# Altium PCB pcb_v1.PcbDoc (part 4 of 5) (continued)
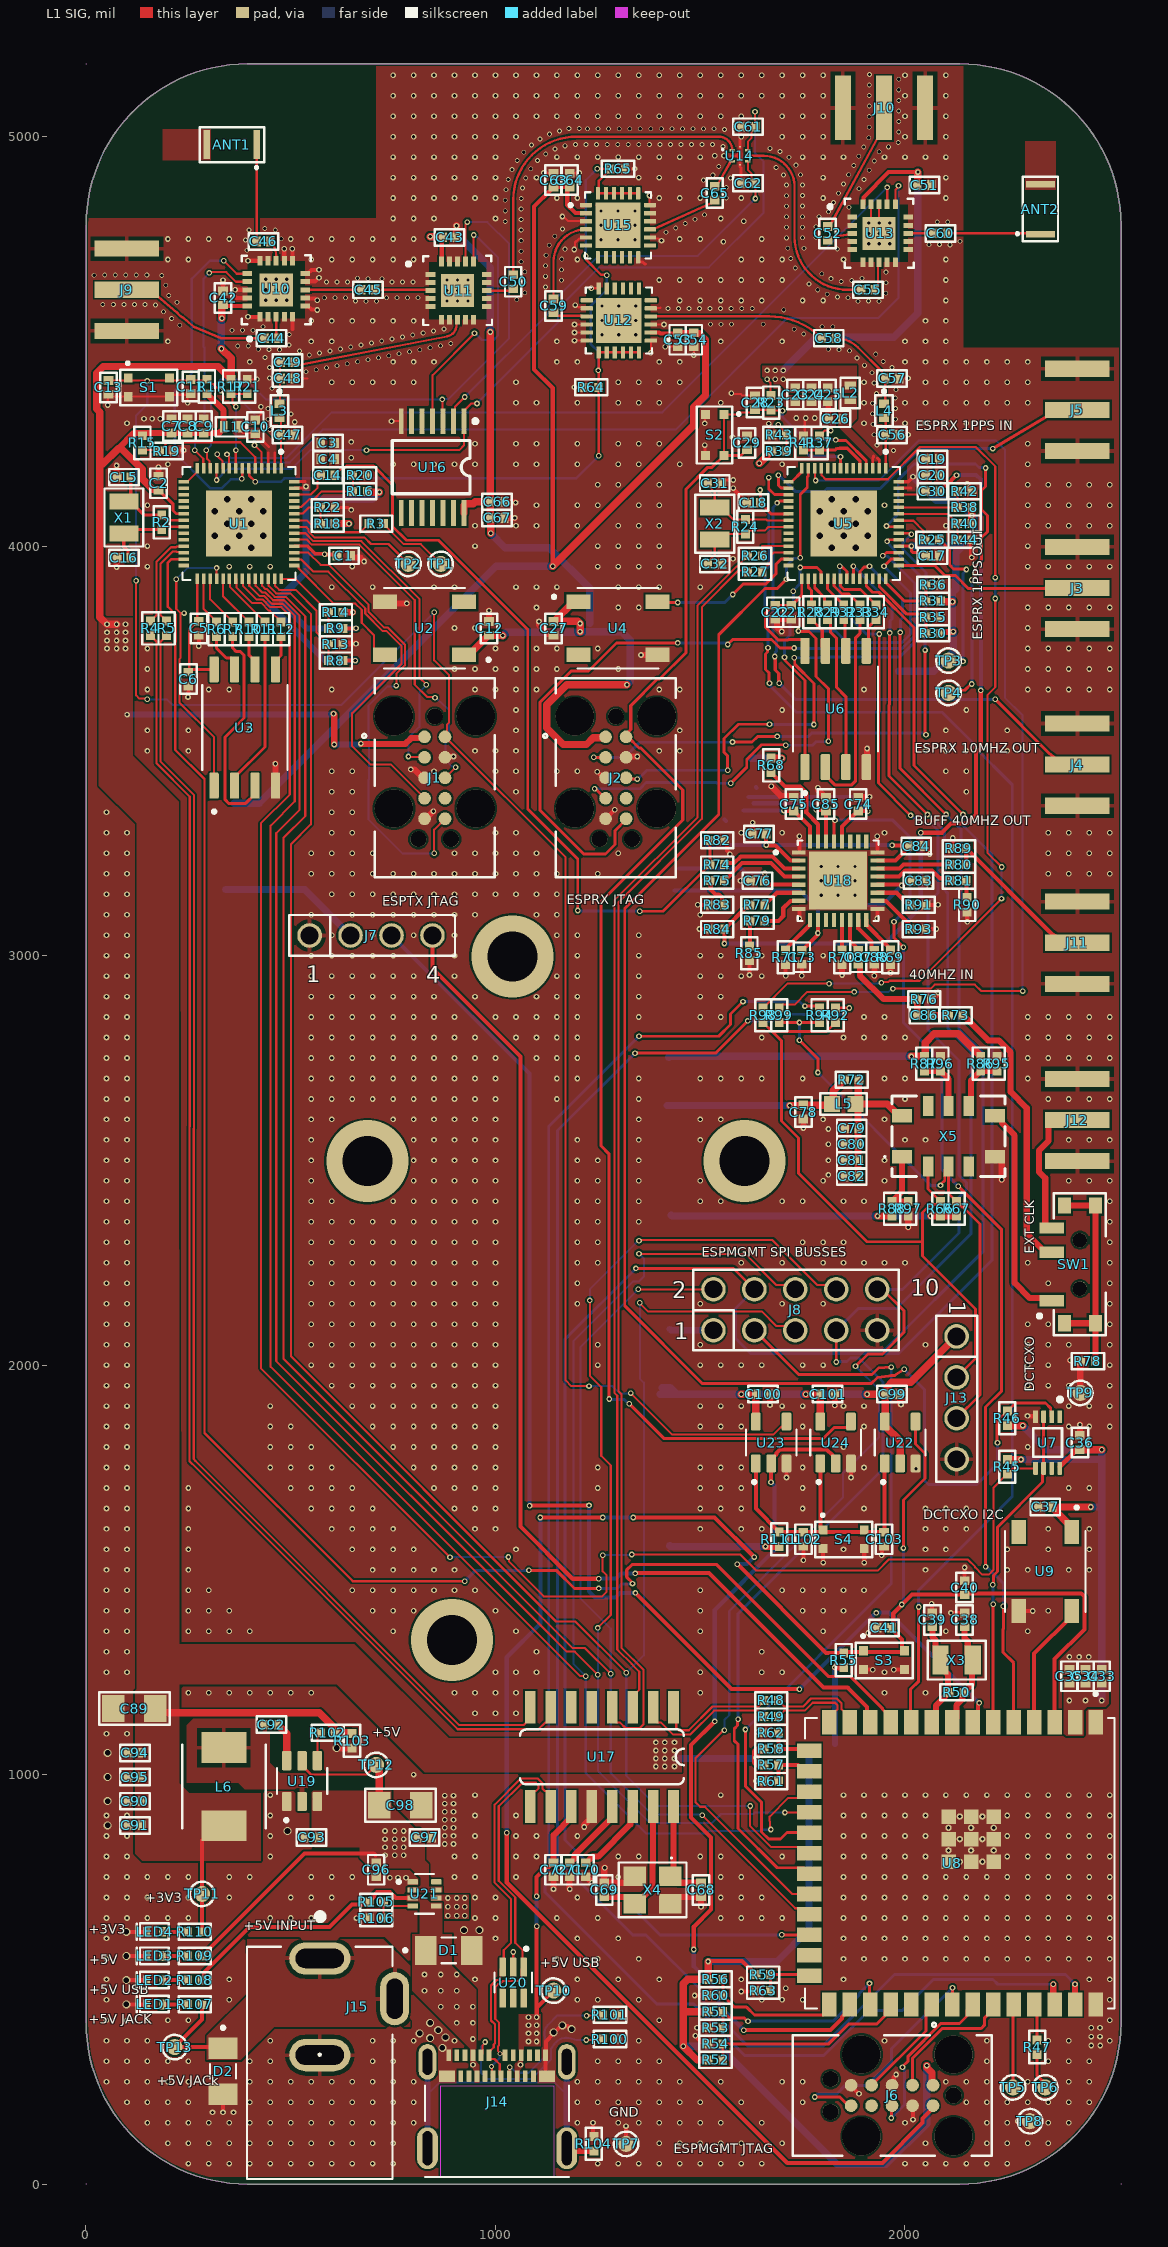
[diagram p0: L1 SIG view]
## Nets (pads, with @x,y where several pads share a name; then routed paths per layer and width w, separated by ;. In a path a pad name is that pad's centre, name@x,y a point inside that pad or via, vN(x,y) a via of type N, cw(c..) or ccw(c..) an arc to the next point about the centre after c; other vN are vias at no path point) (continued)
  other v2: 1972.1,4233.55 1931.4,4247.09 1924.73,4271.96 448.57,4284.55 1921.89,4297.55 444.41,4309.96 1976.85,4310.03 500.47,4322.37 1920.79,4323.27 444.69,4335.7 1976.59,4335.77 1920.79,4349.02 1976.22,4361.52 1930.26,4372.97 1978.35,4381.89 453.95,4385.61 1924.73,4398.11 448.35,4410.74 1919.41,4423.31 537.03,4426 562.31,4430.87 448.45,4436.49 587.59,4435.74 1968.24,4436.28 612.88,4440.61 1901.21,4441.51 638.16,4445.48 663.44,4450.35 1946.84,4450.59 688.73,4455.22 714.01,4460.09 1883,4459.72 437.01,4460.63 739.29,4464.96 545.28,4466.99 1928.64,4468.8 764.58,4469.83 570.56,4471.86 789.86,4474.7 521.36,4476.51 595.84,4476.73 1864.22,4477.33 446.61,4479.88 472.36,4479.85 815.14,4479.57 1838.6,4479.85 420.88,4480.71 1812.87,4480.92 621.13,4481.6 840.43,4484.44 646.41,4486.47 370.6,4488.53 396.35,4488.53 865.71,4489.31 495.54,4491.06 671.69,4491.34 890.92,4494.56 696.98,4496.21 722.26,4501.08 747.54,4505.95 772.83,4510.82 798.11,4515.69 496.53,4516.79 1752.61,4518.05 823.39,4520.56 848.68,4525.43 356.25,4527.22 382,4527.22 407.75,4527.22 873.96,4530.3 1729.67,4529.74 431.99,4535.9 1797.75,4535.9 1823.5,4535.9 228.98,4539.37 1525.11,4541.68 1550.85,4541.68 1576.6,4541.68 1653.85,4541.68 209.16,4555.81 189.53,4572.47 1704.08,4576.99 1421.02,4580.37 1446.77,4580.37 1472.52,4580.37 1498.27,4580.37 1524.01,4580.37 1549.76,4580.37 1575.51,4580.37 1601.26,4580.37 1627.01,4580.37 169.8,4589.01 41.08,4590.08 66.83,4590.08 92.58,4590.08 118.33,4590.08 144.07,4590.08 222.03,4595.7 683.81,4598.18 709.55,4597.96 1885.08,4597.96 1936.53,4597.96 658.06,4598.62 1910.8,4598.94 1051.91,4601.89 582.1,4606.64 607.85,4606.64 633.59,4606.64 733.79,4606.64 759.54,4606.64 785.29,4606.64 811.04,4606.64 1860.84,4606.64 1835.16,4608.57 202.3,4612.25 1810.27,4615.16 1953.22,4617.56 1071.34,4618.79 1786.87,4625.9 1122.39,4633.06 194.96,4636.93 1765.65,4640.48 1953.48,4643.31 587.05,4645.33 612.79,4645.33 638.54,4645.33 747.39,4645.33 773.14,4645.33 798.88,4645.33 1070.31,4644.52 1844.34,4646.47 1161.08,4649.3 1870,4648.62 688.5,4652.85 722.74,4652.78 1819.49,4653.24 662.78,4654.01 1895.17,4654.01 1122.39,4658.81 184.95,4660.65 19.91,4661.62 45.65,4661.89 71.4,4661.89 97.15,4661.89 122.9,4661.89 148.65,4661.89 1796.73,4665.26 1953.69,4669.06 1071.34,4670.24 1161.08,4675.05 1732.17,4679.36 1122.39,4684.56 1062.65,4694.48 1161.69,4700.79 1720.9,4702.51 1123.72,4710.27 1062.65,4720.23 392.98,4722.41 1169.87,4725.21 1834.75,4725.43 1713.76,4727.25 1753.5,4727.57 1131.16,4734.92 2058.35,4735.89 2109.83,4735.75 2084.09,4736.5 2134.09,4744.37 1062.65,4745.98 389.29,4747.89 476.85,4750.71 1710.96,4752.84 1749.77,4753.05 1783,4754.11 1144.92,4756.68 1416.68,4766.61 397.98,4772.13 462.12,4771.83 1062.65,4771.73 1163.56,4774.44 436.67,4775.72 1440.14,4777.23 1710.97,4778.59 1749.66,4778.79 1783,4779.86 1463.6,4787.84 2078.85,4791.81 2104.6,4791.81 1023.96,4793.01 1062.65,4797.48 1487.06,4798.45 1710.97,4804.34 1749.66,4804.54 1790.34,4804.54 1510.51,4809.07 1813.17,4816.44 1023.96,4818.76 1062.65,4823.22 1863.28,4827.56 1710.97,4830.09 1749.66,4830.29 1825.49,4839.05 1023.91,4844.51 1062.77,4848.97 1563.46,4849.87 1710.97,4855.84 1749.66,4856.04 1837.81,4861.66 1507.51,4867.98 1025.61,4870.2 1887.92,4872.78 1066.05,4874.51 1563.46,4875.62 1710.62,4881.58 1749.5,4881.79 1850.13,4884.27 1508.19,4893.72 1031.23,4895.33 1900.24,4895.39 1073.97,4899.01 1573.74,4899.22 1530.84,4905.98 1703.08,4906.2 1744.83,4907.11 1862.45,4906.88 1912.56,4918 1040.49,4919.35 1086.26,4921.63 1685.4,4924.92 1545.25,4927.32 1874.76,4929.49 1733.76,4930.36 1924.88,4940.61 1053.18,4941.75 1102.57,4941.55 1716.62,4949.57 1887.08,4952.1 1122.67,4957.66 1069.04,4962.04 1937.2,4963.22 1695.06,4963.65 1145.38,4969.79 1670.5,4971.38 1899.4,4974.71 1960.07,4975.04 1555.47,4975.63 1169.93,4977.53 1087.71,4979.77 1195.49,4980.63 1221.24,4980.65 1246.99,4980.65 1272.74,4980.65 1298.49,4980.65 1324.23,4980.65 1349.98,4980.65 1375.73,4980.65 1401.48,4980.65 1427.23,4980.65 1452.97,4980.65 1478.72,4980.65 1504.47,4980.65 1530.22,4980.65 1983.58,4985.54 1108.79,4994.56 1911.72,4997.32 1131.82,5006.07 1984.72,5011.26 1156.29,5014.07 1559.45,5017.22 1224.81,5019.35 1250.56,5019.35 1276.31,5019.35 1302.06,5019.35 1327.81,5019.35 1353.55,5019.35 1379.3,5019.35 1405.05,5019.35 1430.8,5019.35 1456.55,5019.35 1482.29,5019.35 1508.04,5019.35 1533.79,5019.35 1179.13,5019.69 1204.72,5019.69 1912.92,5023.04 1984.72,5037.01 1912.92,5048.79 1984.72,5062.76 1912.92,5074.54 1984.72,5088.5 1912.92,5100.29 1984.72,5114.25 1912.92,5126.03 1984.72,5140 1913.52,5151.78
  other v3: 870.08,332.68 840.55,356.3 877.95,358.27 814.96,368.11 860.24,375.98 840.55,393.7 923.23,620.08 960.63,620.08 492.13,862.2 52.96,875.98 52.96,935.04 52.96,994.09 52.96,1053.15
LMK00334_CLKB1_N: R93.2 U18.18 | length 115.4
  L1 SIG w10: U18.18@1932.48,3133.86 1932.6,3133.74 1953.17,3133.74 2009.92,3076.99 2009.92,3070.79 R93.2@2015.75,3064.96
LMK00334_CLKB1_P: R91.2 U18.19 | length 95.5
  L1 SIG w10: U18.19@1932.48,3153.54 1978.89,3153.54 2002.59,3129.84 2009.92,3129.84 R91.2@2015.75,3124.02
LMK0334_CLKIN_SEL0: R70.2 U18.13 | length 73.4
  L1 SIG w10: R70.2@1846.46,3013.78 U18.13@1846.46,3087.2
LMK0334_CLKIN_SEL1: R69.2 U18.16 | length 97.9
  L1 SIG w10: U18.16@1905.51,3087.2 1905.51,3075.39 1958.74,3022.17 1958.74,3019.61 R69.2@1964.57,3013.78
LMK0334_OUT_EN: R71.2 U18.9 | length 97.9
  L1 SIG w10: R71.2@1708.66,3013.78 1714.49,3019.61 1714.49,3022.17 1767.72,3075.39 U18.9@1767.72,3087.2
LMK0334_REF_OUT_EN: R68.1 U18.31 | length 236.2
  L1 SIG w10: R68.1@1673.23,3446.85 1707.34,3412.74 1743.26,3412.74 1758.96,3397.04 1758.96,3349.31 1787.4,3320.87 U18.31@1787.4,3278.94
LS21A_USB_D_N: J14.A7 J14.B7 U17.9 U20.1 | length 956.4
  L1 SIG w5.17: v5(989.96,287.2) 991.23,285.93 991.23,267.36 990.77,266.9 J14.B7@994.09,263.58 ; v5@1009.02,318.08 1009.18,318.24 1020.3,318.24 1023.62,314.92 J14.A7@1023.62,314.76 ; v5(1011.22,318.24) 1011.22,320.04 1005.84,325.42 1005.84,336.18 1009.02,339.36 1009.02,394.26 999.38,403.9 999.38,480.94 1006.66,488.21 1010.58,488.21 1018.41,496.04 1054.36,496.04 1063.61,505.29 1063.61,524.63 U20.1@1068.9,529.92 1066.34,532.48 1066.34,571.44 1048.39,589.39 1048.39,700.25 1008.08,740.56 1008.08,922.62 1065.86,980.4 1098.7,980.4 1104.76,974.35 1104.76,965.78 1098.7,959.72 1095.26,959.72 1084.84,949.31 U17.9@1084.84,922.31
  L4 SIG w5.17: v5(989.96,287.2) 1009.95,307.2 1009.95,316.97 v5(1011.22,318.24)
LS21A_USB_D_P: J14.A6 J14.B6 U17.10 U20.3 | length 945.6
  L1 SIG w5.17: J14.B6@1013.78,263.58 1010.46,266.9 1010.46,292.85 997.62,305.7 987.57,305.7 984.25,309.02 984.25,322.64 995.67,334.06 995.67,340.39 998.85,343.58 998.85,390.05 989.21,399.69 989.21,485.15 1002.45,498.38 1006.37,498.38 1012.43,504.44 1012.43,524.63 U20.3@1017.72,529.92 1020.28,532.48 1020.28,571.44 1038.22,589.39 1038.22,696.04 997.91,736.35 997.91,926.84 1061.65,990.57 1102.91,990.57 1114.93,978.56 1114.93,965.78 1120.98,959.72 1124.43,959.72 1134.84,949.31 U17.10@1134.84,922.31
MGMT_1PPS_OUT: U7.3 U7.6 U8.6 | length 797.8
  L1 SIG w7: v1(2214.57,1463.9) 2215.86,1465.19 2215.86,1486.03 2225.74,1495.91 2225.74,1604.03 2336.18,1714.47 2336.18,1745.63 U7.6@2338.58,1748.03 U7.3@2338.58,1874.02 ; U8.6@2215.35,1127.95 v1(2215.35,1416.14)
  L4 SIG w7: v1(2214.57,1463.9) 2214.96,1463.5 2214.96,1416.54 v1(2215.35,1416.14)
MGMT_1PPS_OUT_BUFF1: R45.1 U1.36 U7.5 | length 4535.2
  L1 SIG w5: U1.36@381.89,3920.28 382.93,3919.23 382.93,3903.18 416.23,3869.89 431.14,3869.89 450.19,3850.84 476.83,3850.84 497.58,3830.08 497.58,3393.25 427.17,3322.83 427.17,1992.26 v1(888.85,1530.58) ; v1(1031.5,1531.5) 1033.18,1529.82 1033.18,1519.97 1117.82,1435.33 1260.3,1435.33 1271.65,1446.69 1271.65,1486.54 1261.81,1496.38 v1(1261.81,1535.43) ; v1(1332.68,1537.4) 1598.26,1537.4 1637.34,1498.33 1933.23,1498.33 1960.2,1525.3 2153.7,1525.3 2171.26,1507.74 2171.26,1506.04 2188.82,1488.48 2204.88,1488.48 2216.24,1499.84 2216.24,1700.49 R45.1@2250,1734.25 2263.78,1748.03 U7.5@2318.9,1748.03
  L4 SIG w5: v1(888.85,1530.58) 889.76,1531.5 v1(1031.5,1531.5) ; v1(1261.81,1535.43) 1262.8,1536.42 1331.69,1536.42 v1(1332.68,1537.4)
MGMT_1PPS_OUT_BUFF2: R46.1 U5.13 U7.2 | length 3807.5
  L1 SIG w7: v1(1710.63,3919.29) 1687.94,3896.6 1658.41,3896.6 1545.28,3783.46 1545.28,3344.49 1315.57,3114.78 1315.57,2145.06 1505.91,1954.72 1917.32,1954.72 1932.75,1970.15 1961.19,1973.82 1965.55,1974.29 1974.98,1974.75 v1(1998.03,1990.16) ; v1(1744.09,3971.61) 1744.09,4126.32 1761.31,4143.54 1761.31,4168.58 1763.74,4171.01 1763.74,4189.92 U5.13@1763.78,4189.96 ; v1@2224.41,1809.06 2224.41,1864.51 2234.46,1874.56 2236.77,1874.56 R46.1@2250,1887.8 2269.68,1907.48 2343.07,1907.48 2355.86,1894.68 2355.86,1876.42 U7.2@2358.27,1874.02
  L4 SIG w7: v1(1710.63,3919.29) 1710.63,3952.76 1728.19,3970.32 1742.8,3970.32 v1(1744.09,3971.61) ; v1(1998.03,1990.16) 1998.03,1989.31 2047.24,1940.1 2047.24,1718.5 2057.09,1708.66 2175.2,1708.66 2225.82,1759.28 v1(2225.82,1810.37)
NetC14_2: C14.2 U1.54 | length 97.7
  L1 SIG w5: U1.54@508.86,4125.98 549.21,4125.98 565.49,4142.26 565.49,4165.1 C14.2@573.62,4173.23
NetC30_2: C30.2 U5.54 | length 68
  L1 SIG w5: U5.54@1985.24,4125.98 2042.13,4125.98 C30.2@2050,4133.86
NetC68_1: C68.1 U17.16 X4.1 | length 255.2
  L1 SIG w15: U17.16@1434.84,922.31 1434.84,759.64 X4.1@1427.17,751.97 1443.29,735.85 1501.55,735.85 C68.1@1501.97,735.43
NetC69_2: C69.2 U17.15 X4.3 | length 340.8
  L1 SIG w15: C69.2@1265.75,701.57 1266.16,701.16 1324.43,701.16 X4.3@1340.55,685.04 1344.48,685.04 1372.42,712.97 1374.48,712.97 1383.48,721.98 1383.48,781.2 1384.84,782.56 U17.15@1384.84,922.31
NetC70_1: C70.1 U17.14 | length 193.8
  L1 SIG w15: C70.1@1220.47,784.65 1221.65,784.65 1236.65,799.65 1250.43,799.65 1329.34,878.56 1329.34,916.81 U17.14@1334.84,922.31
NetC71_1: C71.1 U17.13 | length 181.3
  L1 SIG w15: C71.1@1181.1,784.65 1182.28,784.65 1193.29,795.65 1193.29,803.75 1284.84,895.31 U17.13@1284.84,922.31
NetC86_2: C86.2 R73.2 | length 42.1
  L1 SIG w15: C86.2@2064.17,2854.33 R73.2@2106.3,2854.33
NetC88_1: C88.1 U18.15 | length 91.2
  L1 SIG w10: U18.15@1885.83,3087.2 1885.94,3087.09 1885.94,3066.52 1918.39,3034.08 1918.39,3018.62 1924.02,3012.99 C88.1@1925.2,3012.99
NetC92_1: C92.1 L6.1 U19.2
NetC92_2: C92.2 U19.6 | length 96.5
  L1 SIG w18: C92.2@469.69,1122.05 469.69,1120.87 490.16,1100.39 U19.6@490.16,1034.06
NetC102_2: C102.2 C103.2 R111.1 S4.1 S4.3 U22.1 U23.1 U24.1 | length 781.7
  L1 SIG w10: U23.1@1635.83,1759.84 1635.83,1649.61 R111.1@1692.91,1592.52 1693.31,1592.13 C102.2@1751.57,1592.13 ; C102.2@1751.97,1591.73 C102.2@1751.57,1592.13 ; U24.1@1793.31,1759.84 1793.31,1604.92 1800.2,1598.03 S4.1@1800.2,1597.64 ; U22.1@1950.79,1759.84 1949.8,1758.86 1949.8,1592.72 C103.2@1948.82,1591.73 1948.43,1592.13 C102.2@1751.57,1592.13
NetJ14_A5: J14.A5 R100.2 | length 477.6
  L1 SIG w5: J14.A5@964.57,314.76 967.97,318.17 967.97,337.86 974.67,344.56 v1(974.67,346.93) ; v1(1221.76,352.08) 1259.56,352.08 R100.2@1261.81,354.33
  L4 SIG w5: v1(974.67,346.93) 974.67,345.93 964.57,335.84 964.57,271.65 979.87,256.35 1087.06,256.35 1135.83,305.12 1135.83,330.48 1143.56,341.54 cw(c1174.02,320.28) 1183.94,356.07 1198.34,352.08 v1(1221.76,352.08)
NetJ14_B5: J14.B5 R101.2 | length 355.2
  L1 SIG w5: J14.B5@1033.46,263.58 1034.11,264.23 1034.11,284.78 v1(1034.76,285.43) ; v1(1222.44,411.42) 1259.84,411.42 R101.2@1261.81,413.39
  L4 SIG w5: v1(1034.76,285.43) 1037.14,285.43 1050.62,271.95 1081,271.95 1122.9,313.85 1122.9,322.13 1119.88,369.09 cw(c1142.17,370.52) 1124.54,384.24 1127.64,388.23 1151.52,412.11 1221.75,412.11 v1(1222.44,411.42)
NetJ14_S1: J14.S1 J14.S2 J14.S3 J14.S4 R104.2 | length 855.4
  L1 SIG w15: J14.S4@1174.02,87.6 1180.91,80.71 R104.2@1240.16,80.71
  L4 SIG w5: 833.86,218.71 863,247.85 1144.84,247.85 1174.02,218.68
  L4 SIG w15: J14.S3@833.86,87.6 833.86,218.71 J14.S1@833.86,298.62 ; J14.S4@1174.02,87.6 1174.02,218.68 J14.S2@1174.02,298.62
NetLED1_1: LED1.1 R107.2 | length 61.2
  L1 SIG w10: LED1.1@186.82,438.98 R107.2@248.03,438.98
NetLED2_1: LED2.1 R108.2 | length 61.2
  L1 SIG w10: LED2.1@186.82,498.03 R108.2@248.03,498.03
NetLED3_1: LED3.1 R109.2 | length 61.2
  L1 SIG w10: LED3.1@186.82,557.09 R109.2@248.03,557.09
NetLED4_1: LED4.1 R110.2 | length 61.2
  L1 SIG w10: LED4.1@186.82,616.14 R110.2@248.03,616.14
NetR3_2: R3.2 U1.50 | length 209.1
  L1 SIG w5: U1.50@508.86,4062.99 539.15,4062.99 551.63,4050.51 551.63,4039.99 557.71,4033.92 669.74,4033.92 R3.2@690.94,4055.12
NetR25_2: R25.2 U5.50 | length 93.9
  L1 SIG w5: U5.50@1985.24,4062.99 1986.28,4061.95 2020.73,4061.95 2044.87,4037.81 2044.87,4020.09 R25.2@2049.21,4015.75
NetR47_2: R47.2 U8.37 | length 89.7
  L1 SIG w7.5: U8.37@2315.35,438.98 2322.83,431.5 R47.2@2322.83,352.36
NetR78_1: R78.1 SW1.S4 | length 532.3
  L1 SIG w15: SW1.S4@2389.17,2102.36 SW1.S4@2465.16,2102.36 ; SW1.S4@2389.17,2389.76 SW1.S4@2465.16,2389.76 2465.16,2317.95 2465.37,2317.74 2465.37,2171.18 2465.16,2170.96 SW1.S4@2465.16,2102.36 ; R78.1@2464.57,2009.84 2464.86,2010.14 2464.86,2102.07 SW1.S4@2465.16,2102.36
NetR102_1: R102.1 U19.4 | length 71.6
  L1 SIG w5: U19.4@564.96,1034.06 564.96,1094.49 R102.1@572.83,1102.36
NetR105_2: R105.2 R106.1 U21.4 | length 112.1
  L1 SIG w5: R106.1@726.38,649.61 R105.2@726.38,688.98 ; R105.2@728.35,687.01 736.22,679.13 U21.4@797.83,679.13
RF_ANT1: ANT1.1 C46.2 | length 236.7
  L1 SIG w5.78: C46.2@416.14,4744.09 417.32,4745.28 ANT1.1@417.32,4980.31
RF_ANT2: ANT2.1 C60.1 | length 227.2
  L1 SIG w5.78: C60.1@2103.54,4763.78 2111.28,4763.71 2298.17,4763.71 ANT2.1@2330.71,4761.81
RF_ATTEN1_RF1: C58.1 U12.4 | length 431.7
  L1 SIG w5.78: U12.4@1379.33,4561.02 1668.49,4561.02 ; 1668.54,4561.02 cw(c1668.54,4379.56) 1789.11,4515.17 C58.1@1796.85,4507.87
RF_ATTEN1_RF2: C59.2 U12.15 | length 84
  L1 SIG w5.78: C59.2@1141.73,4569.69 1150.65,4562.31 1210.96,4562.31 U12.15@1223.03,4561.02
RF_ATTEN2_RF1: C59.1 U15.4 | length 215.4
  L1 SIG w5.78: C59.1@1141.73,4603.54 1141.73,4694.29 cw(c1221.06,4694.29) U15.4@1221.06,4773.62
RF_ATTEN2_RF2: C65.2 U15.15 | length 186.5
  L1 SIG w5.78: U15.15@1389.43,4772.34 U15.15@1377.36,4773.62 1389.43,4775.85 1395.52,4778.29 ccw(c1391.04,4789.47) 1396.01,4778.5 1526.51,4837.54 C65.2@1535.43,4845.28
RF_RX_L: C57.2 C58.2 L4.2 | length 226.5
  L1 SIG w5.78: C58.2@1830.71,4507.87 cw(c1830.71,4431.84) 1884.48,4485.6 1943.83,4426.24 1943.83,4417.19 C57.2@1951.57,4409.45 1951.57,4350.47 L4.2@1948.82,4347.72
RF_SW1_RF1: C45.1 U11.3 | length 136.1
  L1 SIG w5.78: C45.1@705.91,4625.98 836.73,4625.98 cw(c836.73,4619.26) U11.3@841.49,4624.02
RF_SW1_RF2: C50.2 U11.13 | length 66.2
  L1 SIG w5.78: U11.13@978.35,4624.02 1031.9,4624.02 ccw(c1031.9,4640.15) C50.2@1043.31,4628.74
RF_SW1_RFC: C49.1 U11.8 | length 434.1
  L1 SIG w5.78: C49.1@509.06,4448.82 514.87,4444.88 517.81,4442.89 522.46,4442.89 881.91,4512.13 ccw(c876.46,4540.1) 904.66,4544.23 U11.8@907.49,4553.15
RF_SW2_RF1: C44.1 U10.3 | length 54.2
  L1 SIG w5.78: U10.3@464.57,4559.99 464.57,4512.99 C44.1@469.69,4507.87
RF_SW2_RF2: C46.1 U10.13 | length 51.1
  L1 SIG w5.78: C46.1@450,4744.09 cw(c414.83,4708.93) 464.57,4708.93 U10.13@464.57,4696.86
RF_SW2_RFC: C45.2 U10.8 | length 136.6
  L1 SIG w5.78: U10.8@535.43,4625.99 C45.2@672.05,4625.98
RF_SW3_RF1: C52.1 U13.3 | length 63.8
  L1 SIG w5.78: C52.1@1811.02,4746.85 1819.94,4754.59 1857.43,4760.82 cw(c1859.2,4750.2) 1859.2,4760.97 1862.09,4760.97 U13.3@1871.01,4763.79
RF_SW3_RF2: C60.2 U13.13 | length 61.8
  L1 SIG w5.78: U13.13@2007.87,4763.79 2016.8,4763.79 2061.95,4763.79 C60.2@2069.69,4763.78
RF_SW3_RFC: C55.1 U13.8 | length 70.3
  L1 SIG w5.78: C55.1@1926.38,4625.98 1934.12,4634.91 1934.18,4681.1 1934.18,4684 U13.8@1937.01,4692.92
RF_SW4_INPUT: C55.2 U14.5 | length 515.6
  L1 SIG w5.78: U14.5@1616.34,4953.35 1654.92,4953.35 cw(c1654.92,4877.95) 1729.75,4887.14 cw(c1654.92,4877.95) 1730.32,4877.95 1730.32,4755.48 ccw(c1859.81,4755.48) 1859.81,4625.98 C55.2@1892.52,4625.98
RF_SW4_OUT1: C50.1 U14.1 | length 824.7
  L1 SIG w5.78: C50.1@1043.31,4662.6 1043.31,4845.49 cw(c1197.82,4845.49) 1197.82,5000 1545.28,5000 cw(c1545.28,4967.13) U14.1@1578.15,4967.13
RF_SW4_OUT2: C65.1 U14.3 | length 76.1
  L1 SIG w5.78: C65.1@1535.43,4879.13 1544.35,4886.87 1574.54,4939.5 U14.3@1578.15,4939.57
RF_TX_L: C48.2 C49.2 L3.2 | length 104.2
  L1 SIG w5.78: L3.2@472.44,4347.72 473.82,4349.09 473.82,4408.07 C48.2@475.2,4409.45 473.82,4410.83 C49.2@473.82,4450.2
RF_UFL1: C44.2 J9.1 | length 370.1
  L1 SIG w5.78: J9.1@100,4625.98 175.85,4609.19 221.44,4570.95 cw(c214.01,4562.09) 222.18,4570.27 229.16,4563.29 231.24,4561.63 235.62,4558.91 cw(c229.51,4549.09) 236.9,4557.98 ; 236.94,4557.95 263.4,4535.75 330.31,4507.87 C44.2@435.83,4507.87
RF_UFL2: C52.2 J10.1 | length 323.8
  L1 SIG w5.78: C52.2@1811.02,4780.71 1819.94,4788.45 1932.02,4994.15 J10.1@1948.82,5070
SI5501_40MHZ_OUT: SW1.1 X5.6 | length 541.3
  L1 SIG w15: X5.6@2219.49,2609.06 2227.36,2609.06 2236.59,2599.82 2236.59,2591.95 2267.72,2560.83 2267.72,2200.79 2304.74,2163.76 2351.99,2163.76 SW1.1@2358.27,2157.48
SP1: ANT1.2
SP2: ANT2.2
SW_CLK_OUT: R73.1 SW1.2 | length 692.7
  L1 SIG w15: R73.1@2141.73,2854.33 2203.17,2792.89 2228.85,2792.89 2257.98,2763.76 2257.98,2667 2297.24,2627.74 2297.24,2320.87 2342.52,2275.59 SW1.2@2358.27,2275.59
SW_CLK_OUT_C: C86.1 C87.2 R76.2 | length 233.2
  L1 SIG w10: C87.2@1885.83,2979.13 C87.2@1887.01,2979.13
  L1 SIG w15: C87.2@1887.01,2979.13 1890.14,2976 1890.14,2951.35 1947.79,2893.7 R76.2@2029.53,2893.7 2029.92,2893.31 2029.92,2854.72 C86.1@2030.32,2854.33
SW_CLK_OUT_C_R: C87.1 U18.14 | length 83.1
  L1 SIG w10: U18.14@1866.14,3087.2 1866.14,3035.28 1879.02,3022.4 1879.02,3018.62 1884.65,3012.99 C87.1@1885.83,3012.99
UFL_CLK_IN: J12.1 SW1.3 | length 355.7
  L1 SIG w15: SW1.3@2358.27,2334.65 2348.8,2334.65 2342.52,2340.93 2342.52,2456.6 2327.15,2471.98 2327.15,2524.08 2350.14,2547.08 2350.14,2586.24 2362.32,2598.43 J12.1@2421.26,2598.43
VDD_RX_SPI: C21.2 C22.2 U5.29 U6.8 | length 314.3
  L1 SIG w7: U5.29@1748.03,3920.28 1748.03,3879.92 1723.62,3855.51 C21.2@1722.44,3855.51 C22.2@1683.07,3855.51 1676.19,3848.63 1671.17,3848.63 1659.64,3837.1 1659.64,3801.73 1690.66,3770.7 1714.66,3770.7 1715.77,3771.81 1748.04,3771.81 1755.71,3764.14 U6.8@1755.71,3744.29
VDD_TX_SPI: C5.2 C6.2 U1.29 U3.8 | length 305.3
  L1 SIG w7: U1.29@271.45,3920.07 U1.29@271.65,3920.28 271.65,3813.39 267.53,3809.26 263.69,3809.26 252.16,3797.73 252.16,3694.28 C6.2@250,3692.13 251.18,3692.13 258.07,3699.02 U3.8@312.8,3699.02
pads on no net: J1. J1.7 J2. J2.7 J6. J6.7 J14.A2 J14.A3 J14.A8 J14.A10 J14.A11 J14.B2 J14.B3 J14.B8 J14.B10 J14.B11 SW1. U1.16 U1.17 U1.18 U1.19 U1.23 U1.24 U1.28 U1.53 U2.2 U4.2 U5.6 U5.7 U5.9 U5.10 U5.19 U5.23 U5.24 U5.28 U5.40 U5.53 U7.1 U7.7 U8.25 U8.31 U9.2 U12.6 U12.7 U12.8 U12.9 U12.10 U12.11 U12.13 U15.6 U15.7 U15.8 U15.9 U15.10 U15.11 U15.13 U16.5 U16.6 U16.8 U16.9 U16.10 U16.11 U16.12 U16.13 U17.5 U17.6 U18.11 U18.12 U18.25 U18.26 U18.27 U20.4 U20.5 U20.6 U21.8 X5.4 X5.9
copper on no net:
  other v4: 893.7,1328.74 687.01,2498.03 1608.27,2498.03 1041.34,2998.03

## Polygon pours and split planes (outlines as drawn)
+3V3 on L1 SIG "+3V3_L01_P046" (solid, pour order 46): 1875.98,4374.02 1881.89,4379.92 1881.89,4440.94 1651.57,4440.94 1651.57,4395.67 1694.88,4395.67 1716.54,4374.02
GND on L1 SIG "L1 SIG-GND" (solid, remove dead copper, pour order 82): 0,17.72 2527.81,17.97 2527.56,18.22 2527.56,4484.25 2141.73,4484.25 2141.73,5194.88 708.66,5194.88 708.66,4801.18 0,4801.18
+3V3_VDD3P3_TX on L1 SIG "+3V3_VDD3P3_TX_L01_P032" (solid, pour order 32): 440.94,4234.25 413.39,4261.81 401.57,4261.81 401.57,4287.4 403.54,4289.37 425.2,4289.37 464.57,4250 464.57,4232.28 460.63,4228.35
+3V3 on L1 SIG "+3V3_L01_P038" (solid, pour order 38): 124.02,1318.9 124.02,1220.47 612.2,1220.47 826.77,1005.91 1454.72,1005.91 1454.72,1088.58 885.83,1088.58 655.51,1318.9
+3V3 on L1 SIG "+3V3_L01_P028" (solid, pour order 28): 228.35,1185.04 124.02,1185.04 124.02,3375.98 226.38,3375.98
SP1 on L1 SIG "SP1_L01_P078" (solid, pour order 78): 305.12,4942.91 187.01,4942.91 187.01,5017.72 305.12,5017.72
+5V on L1 SIG "+5V_L01_P018" (solid, pour order 18): 785.43,712.6 785.43,724.41 811.02,724.41 816.93,730.32 816.93,748.03 793.31,771.65 793.31,862.2 826.77,862.2 826.77,791.34 836.61,781.5 836.61,726.38 870.08,726.38 870.08,712.6
GND on L1 SIG "GND_L01_P077" (solid, pour order 77): 812.99,740.16 812.99,732.28 694.88,732.28 694.88,761.81 791.34,761.81
GND on L1 SIG "GND_L01_P076" (solid, pour order 76): 832.68,818.9 832.68,881.89 822.83,891.73 791.34,891.73 791.34,958.66 793.31,960.63 907.48,960.63 907.48,818.9